# Altium PCB SDR.PcbDoc (part 5 of 5)
Units mil, origin at the board's own origin, x right, y up, seen from the top; angles counter-clockwise.
Board outline 5725 x 2750 mil, 6 copper layers (Top Layer, Mid-Layer 1, Mid-Layer 2, Mid-Layer 3, Mid-Layer 4, Bottom Layer), stack 58.26 mil thick; 401 components, 323 nets, 1707 pads, 954 vias.
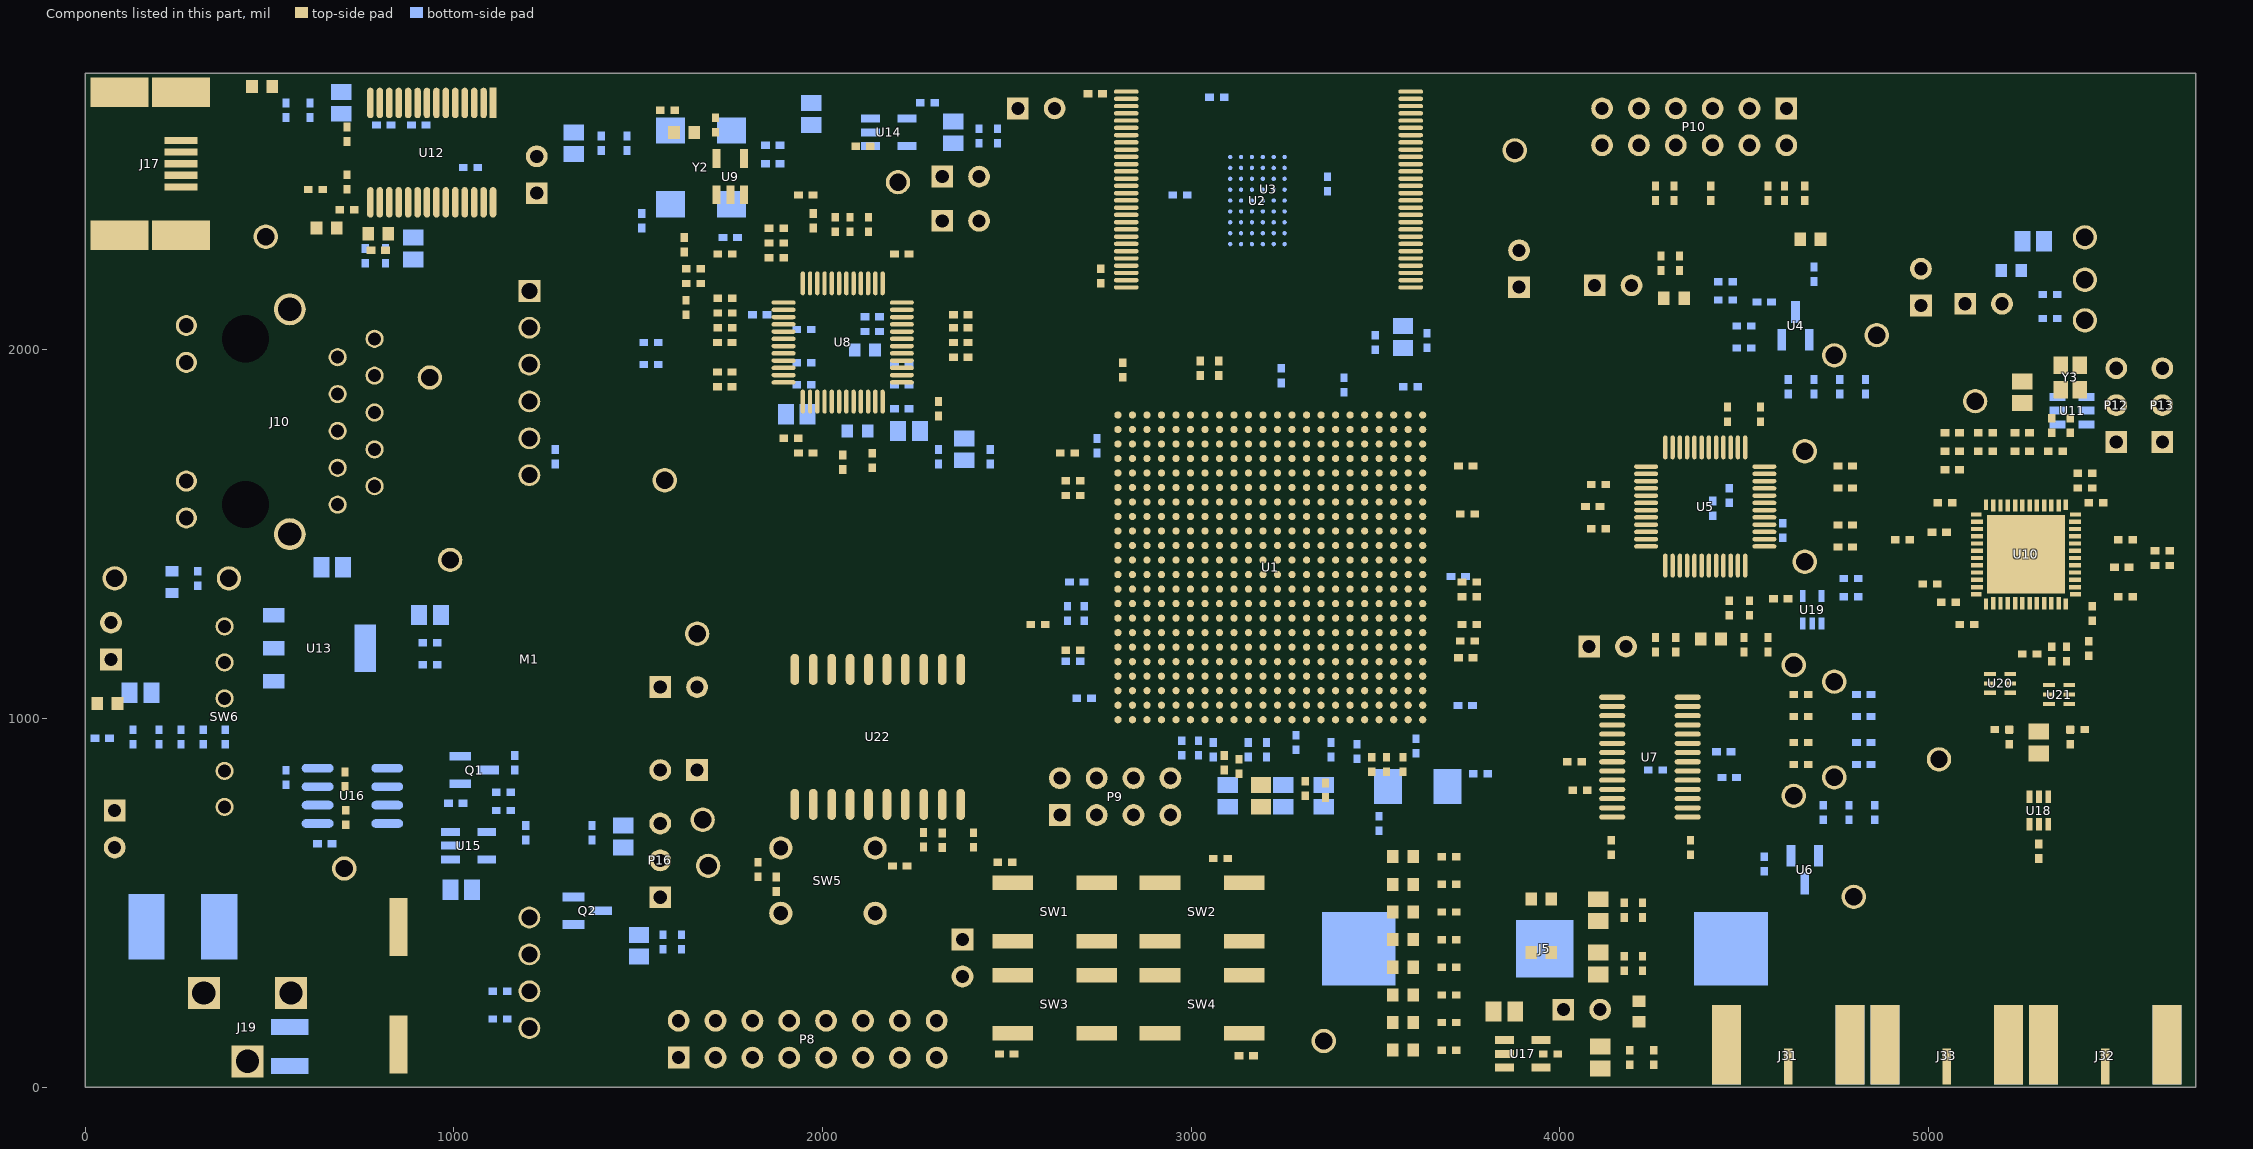
[diagram p9: the components of this part, seen from the top]

## Silkscreen, mask and mechanical layers (free items; w line width, h text height)
Top Overlay:
  region: 802,2334.16 802,2353.84 787.24,2344
  region: 67.38,993.24 67.38,1012.92 52.62,1003.08
  region: 3566.62,667.76 3566.62,648.08 3581.38,657.92
  lines w1.97: 42.78,1003.08 52.62,1003.08 ; 52.62,993.24 52.62,1012.92 ; 67.38,1003.08 77.22,1003.08 ; 777.39,2344 787.24,2344 ; 787.24,2334.16 787.24,2353.84 ; 802,2344 811.84,2344 ; 3556.78,657.92 3566.62,657.92 ; 3581.38,648.08 3581.38,667.76 ; 3581.38,657.92 3591.22,657.92
  text "uSDR  Rev. 2.0" at 4750,2615 h60
  text "DGND" at 3827,2606 h30
  text "V_eth3.3" at 1300,2590 h30 r270
  text "V_SRAM1.8" at 2500,2553 h30
  text "1.8V" at 2150,2515 h30
  text "06/30/12" at 4750,2505 h60
  text "LD" at 5400,2465 h30
  text "JTAG" at 4005,2415 h60
  text "CLK" at 5385,2415 h30
  text "Kuo" at 4750,2400 h60
  text "DGND" at 435,2365 h30
  text "RSSI" at 5370,2365 h30
  text "DGND" at 3840,2340 h30
  text "DGND" at 4930,2290 h30
  text "V_ADC3.3" at 4026,2253 h30
  text "V_SRAM3.3" at 2276,2251 h30
  text "CS" at 5530,2205 h60
  text "V_Flash3.3" at 2275,2198 h30
  text "V_RF3.3" at 5059,2198 h30
  text "SCLK" at 5475,2115 h60
  text "I-" at 4840,2100 h30
  text "Q-" at 4730,2045 h30
  text "DIN" at 5515,2025 h60
  text "2.5V" at 888,1988 h30
  text "AGND" at 5043,1912 h30
  text "Q+" at 4635,1790 h30
  text "DGND" at 1521,1707 h30
  text "3.3V" at 936,1496 h30
  text "I+" at 4655,1486.42 h30
  text "POE" at 40,1440 h30
  text "5V" at 360,1440 h30
  text "MICHIGAN" at 1917,1384 h60
  text "DGND" at 140,1290 h30 r270
  text "RTC" at 1620,1290 h30
  text "V_DAC3.3" at 3994,1270 h30
  text "USB" at 520,1240 h30
  text "Q+" at 4615,1200 h30
  text "Q-" at 4717,1157 h30
  text "POE" at 520,1140 h30
  text "V_SF3.3" at 1512,985 h30
  text "int1.5_en" at 1500,933 h30
  text "8" at 3010,842 h30
  text "Pin" at 540,840 h30
  text "Vin" at 19,818 h60
  text "AGND" at 4974,813 h30
  text "1.5V" at 1730,780 h30
  text "I+" at 4725,750 h30
  text "Jack" at 540,740 h30
  text "1" at 2561,711 h30
  text "I-" at 4605,700 h30
  text "MSS_IO" at 2705,623 h40
  text "K19" at 3555,578 h24
  text "1.5V_en" at 750,566 h30
  text "RST" at 1652.44,519 h30
  text "K18" at 3555,504 h24
  text "AGND" at 4708,440 h30
  text "L21" at 3555,429 h24
  text "V_1.5int" at 1510,410 h30
  text "RST" at 1940,365 h60
  text "L20" at 3555,354 h24
  text "DGND" at 2310,330 h30 r90
  text "K21" at 3555,278 h24
  text "V_RF2.85V" at 4180,260 h30
  text "Fabric IO" at 1790,255 h40
  text "RX" at 4500,240 h60
  text "TX" at 5505,240 h60
  text "K20" at 3555,204 h24
  text "16" at 2380,170 h30
  text "2.85V" at 3285,170 h30
  text "J19" at 3555,128 h24
  text "J21" at 2616,68 h30
  text "B19" at 2972,67 h30
  text "SW1 2" at 2740,65 h30
  text "+" at 900,55 h36
  text "1" at 1530,50 h30
  text "J20" at 3556,50 h24
  text "3 4" at 2795,15 h30
  text "E14" at 2973,13 h30
  text "D15" at 2619,12 h30
Bottom Overlay:
  text "+" at 465,145 h36